# Altium PCB 小车PCB.PcbDoc (part 1 of 4)
Units mm, origin at the board's own origin, x right, y up, seen from the top; angles counter-clockwise.
Board outline 300.13 x 180.13 mm, 2 copper layers (Top Layer, Bottom Layer); 391 components, 380 nets, 1557 pads, 358 vias.
Unrouted connection lines stored in the file: 2.
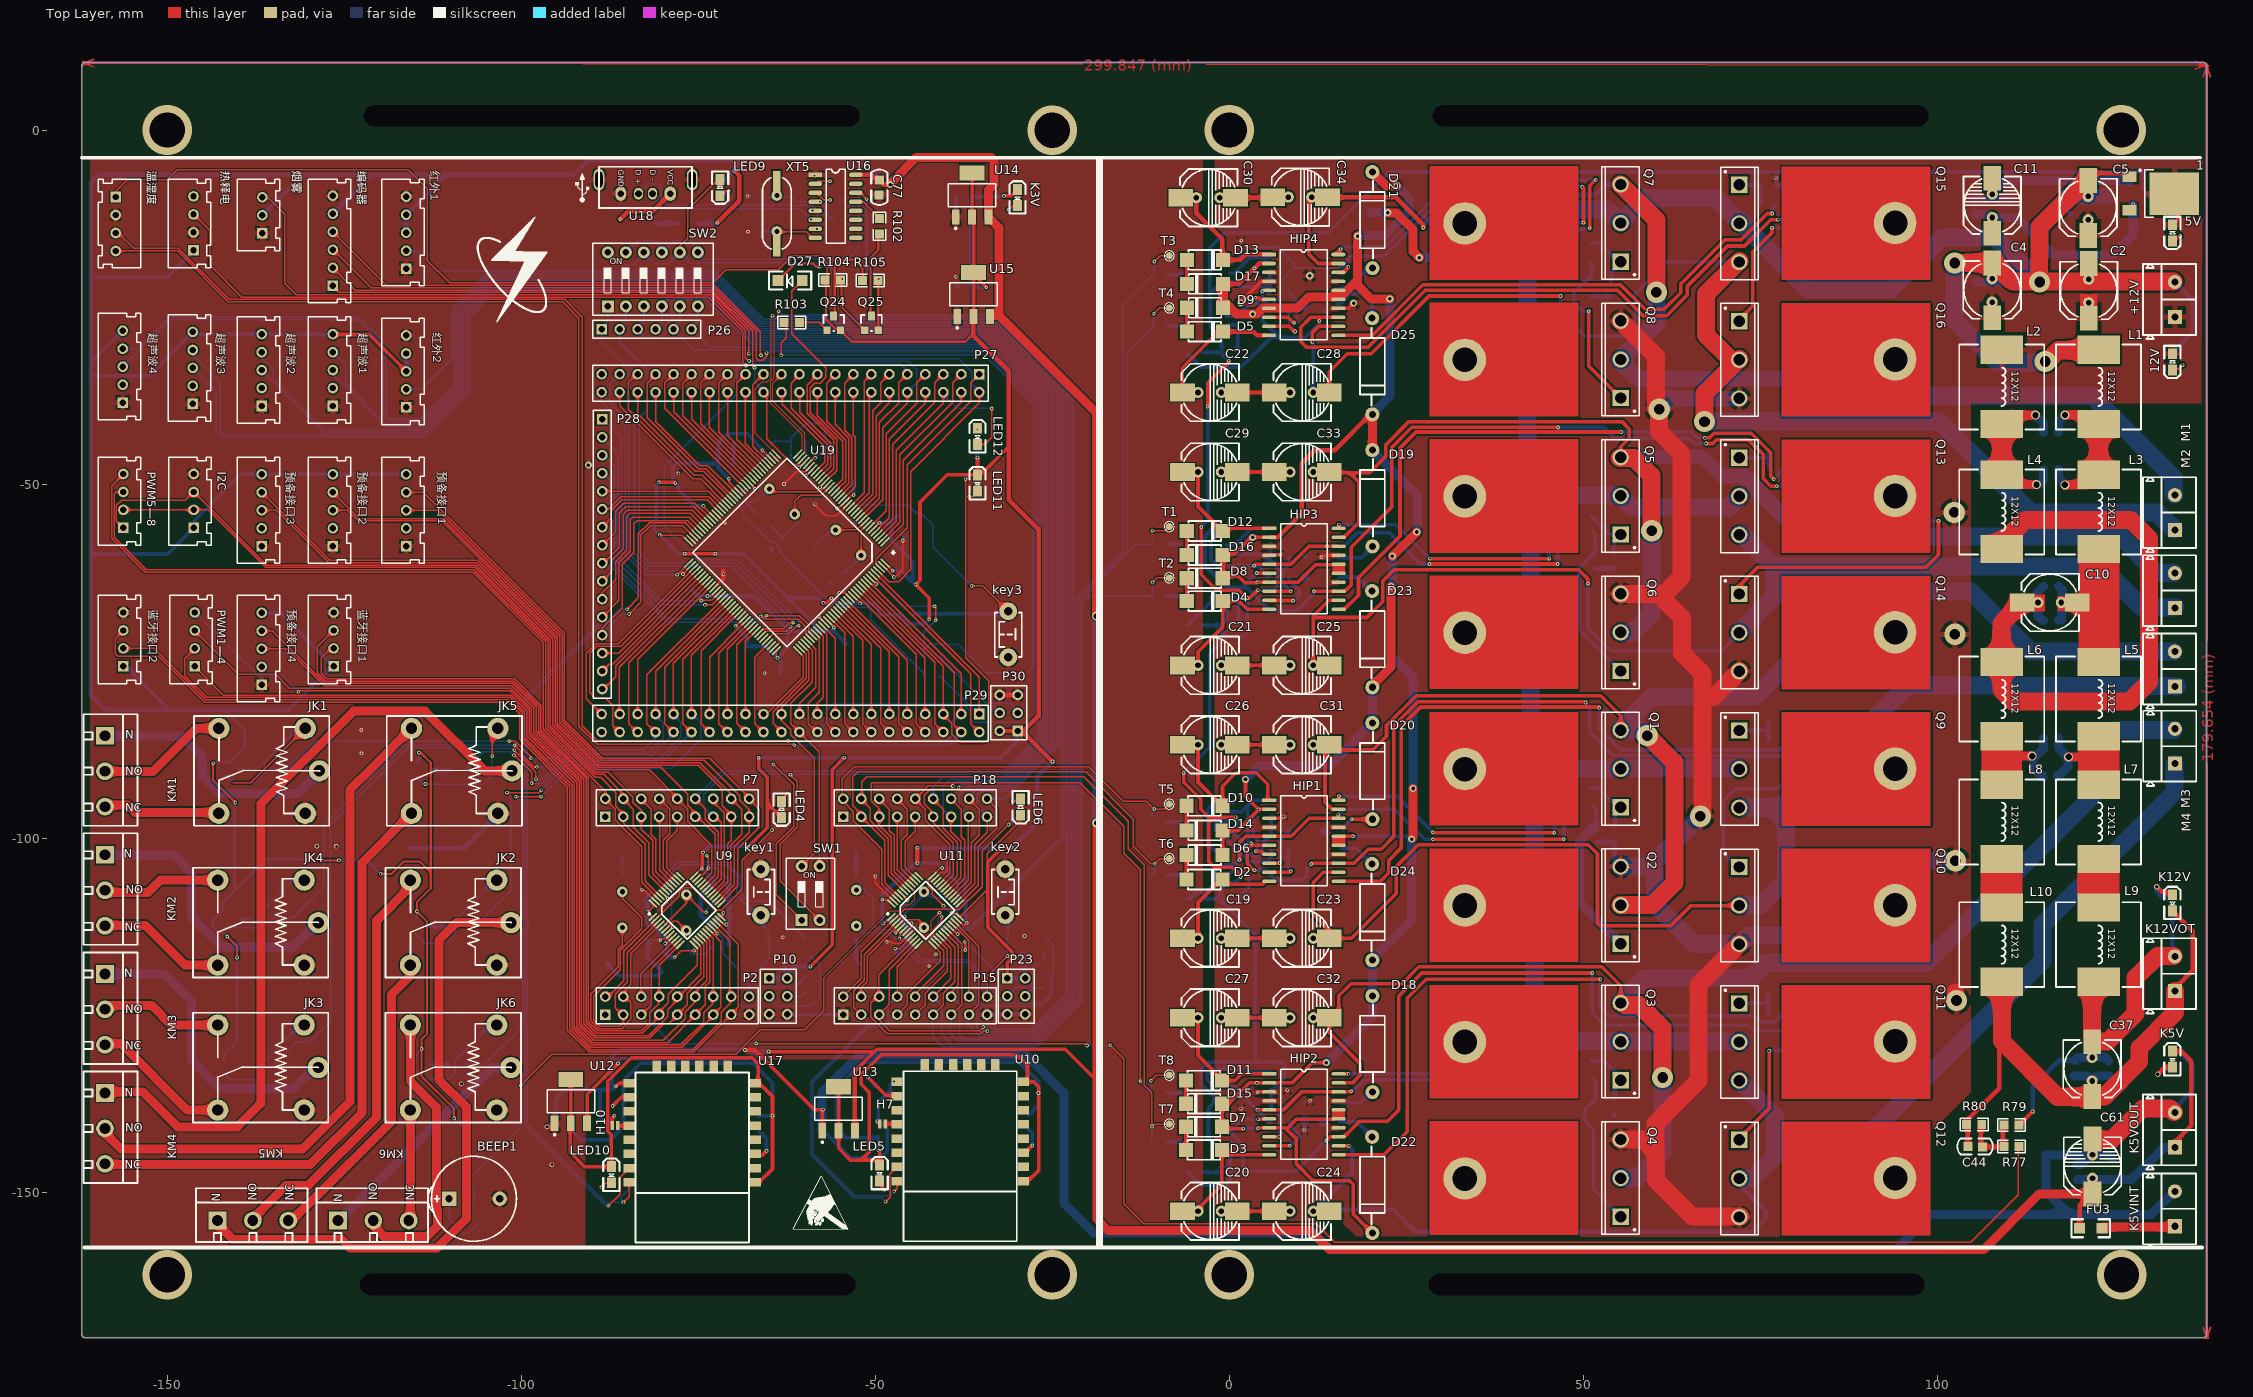
[diagram p0: Top Layer view]
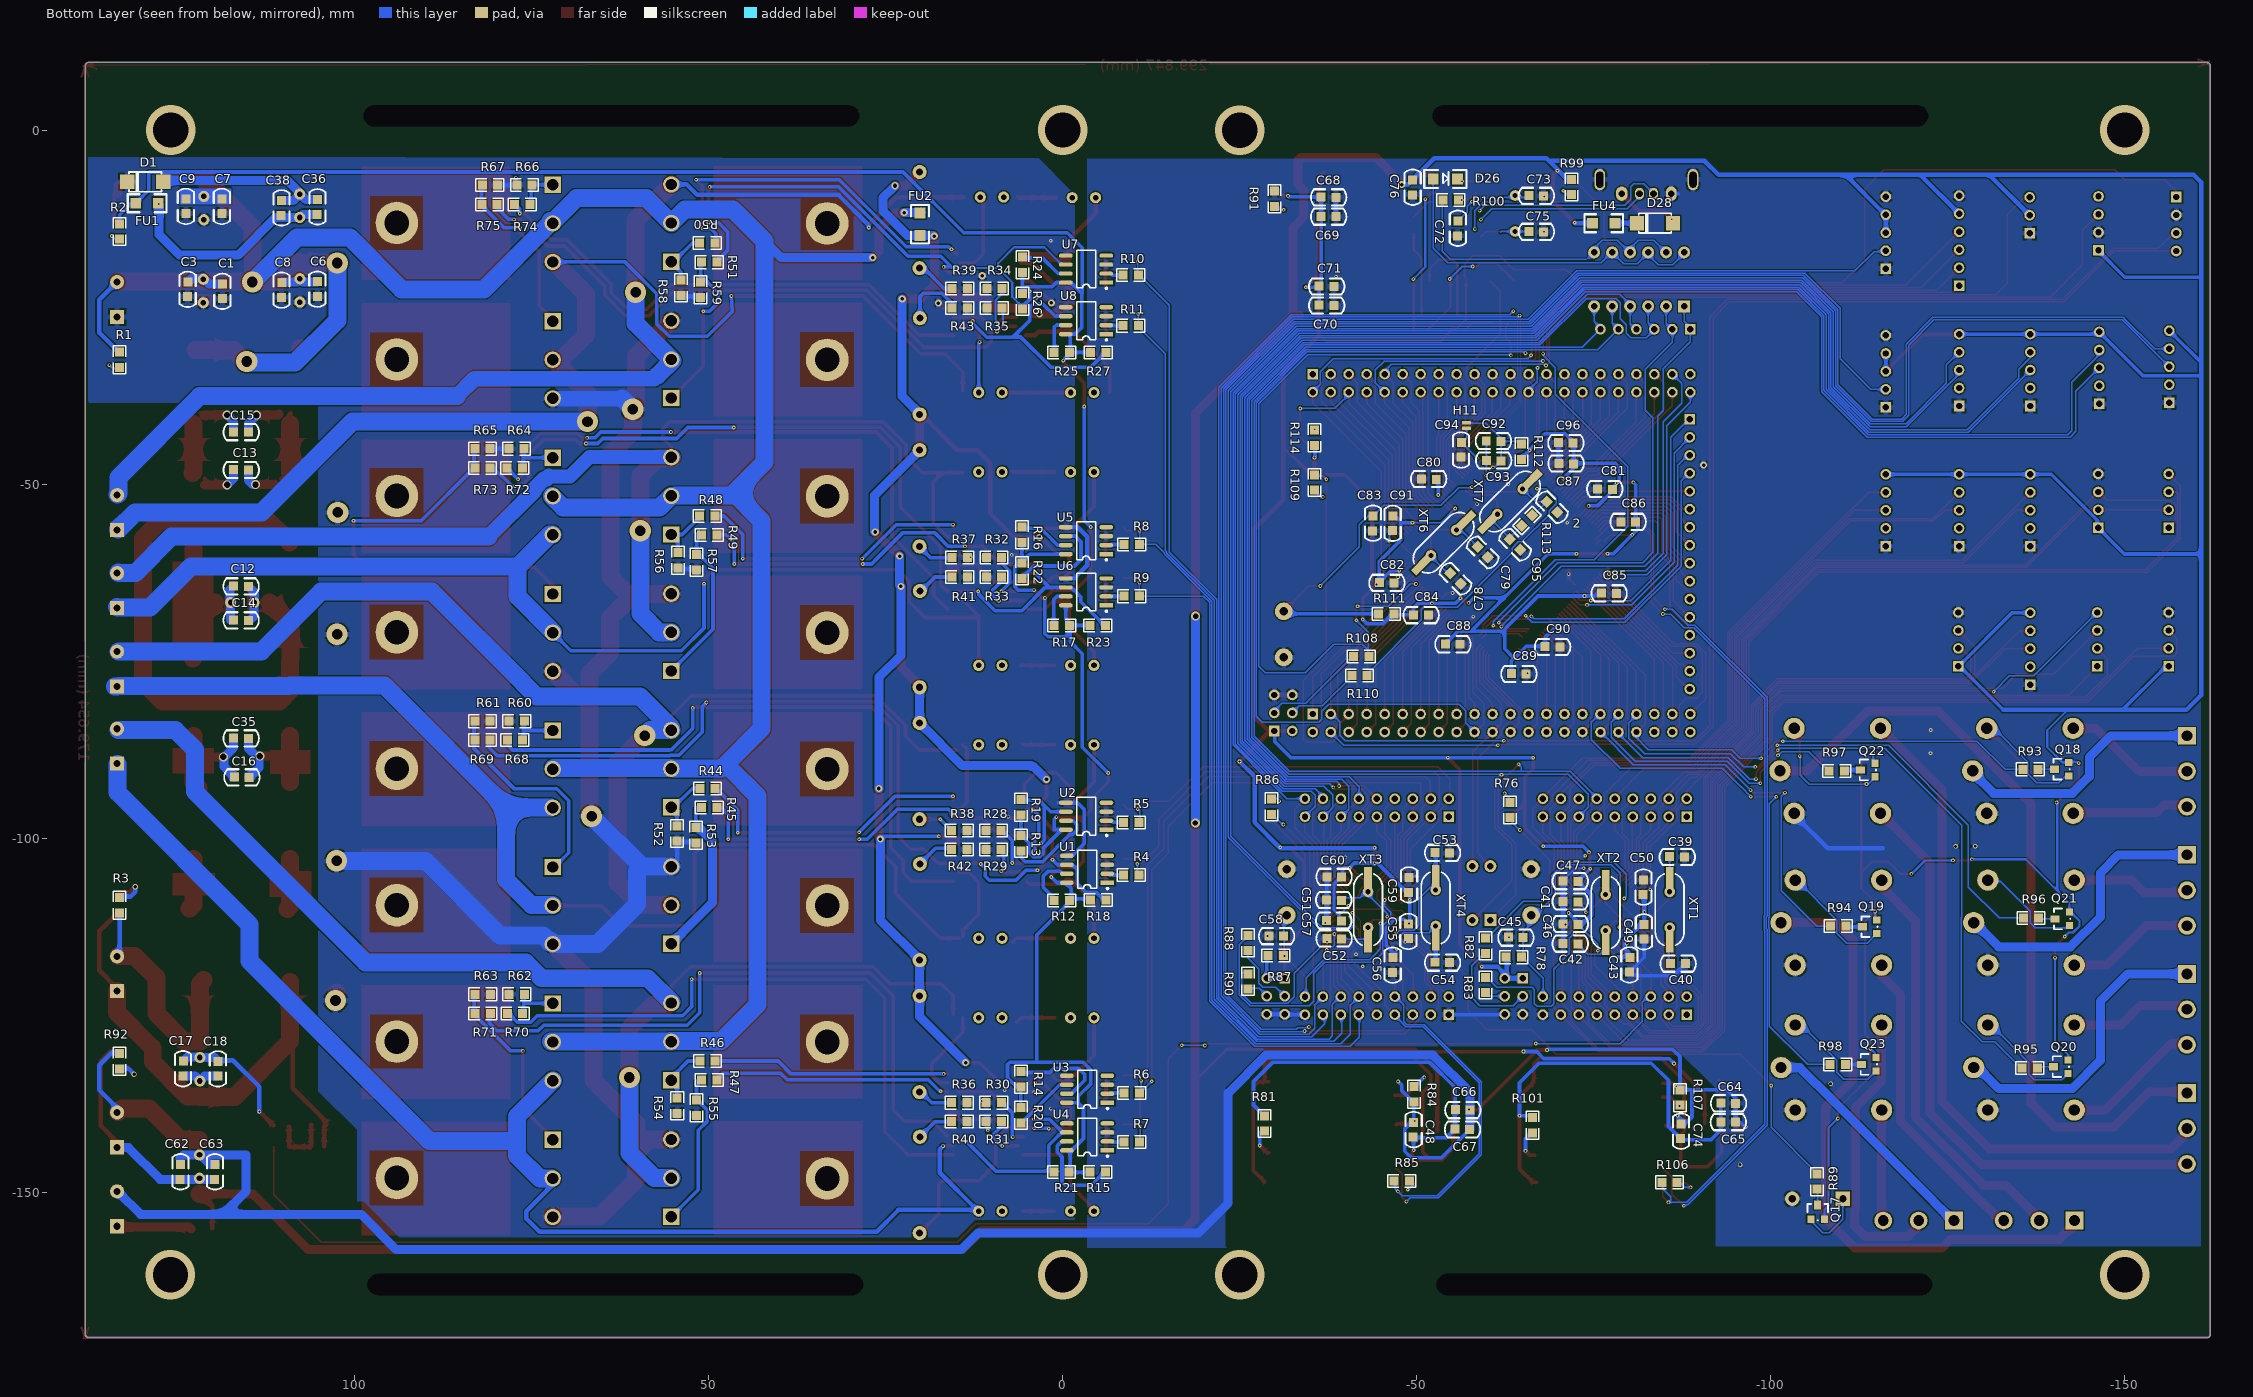
[diagram p1: Bottom Layer view, seen from below]

## Layer stack, top to bottom
Top Solder: solder mask 0.0102, Solder Resist, Dk 3.5
Top Layer: signal copper 0.0356
Dielectric1: dielectric 0.32, FR-4, Dk 4.8
Bottom Layer: signal copper 0.0356
Bottom Solder: solder mask 0.0102, Solder Resist, Dk 3.5

## Board outline
-162.09,-170.009 -162.09,9.141 cw(c-162.027,9.141) -162.086,9.166 cw(c-161.559,9.101) -161.607,9.63 cw(c-161.602,9.566) -161.602,9.63 137.463,9.63 cw(c137.508,9.101) 138.037,9.15 cw(c137.973,9.144) 138.037,9.144 138.037,-170.034 cw(c137.973,-170.034) 138.027,-170.069 cw(c137.505,-169.969) 137.554,-170.498 cw(c137.548,-170.434) 137.548,-170.498 -161.519,-170.498 cw(c-161.519,-170.434) -161.533,-170.496 cw(c-161.562,-169.966) -162.09,-170.015 cw(c-162.027,-170.009)

## Design rules (kind name [scope] priority, off if disabled: settings)
Clearance [InPolygon] p1: gap=0.2
Clearance Clearance_2 [All] p2: gap=0.127
Clearance ALL [IsVia] p3: gap=0.127
PlaneConnect [InNet('No Net') And OnLayer('Top Layer')] p1: planeconnectstyle=Direct reliefexpansion=0.508 reliefentries=4 reliefconductorwidth=0.254 reliefairgap=0.254
PolygonConnect PolygonConnect_1 [All] p1: connectstyle=Relief reliefconductorwidth=0.762 reliefentries=4 polygonreliefangle="90 Angle" airgapwidth=0.254
PolygonConnect [IsVia] p2: connectstyle=Direct reliefconductorwidth=0.381 reliefentries=4 polygonreliefangle="90 Angle" airgapwidth=0.254
RoutingVias [All] p1: holewidth=0.254 width=0.508 viastyle="Through Hole" minholewidth=0.254 minwidth=0.508 maxholewidth=0.254 maxwidth=0.508
SolderMaskExpansion [All] p1: expansion=0.1
Width [All] p1: maxlimit=5.08 minlimit=0.127 preferedwidth=0.508
29 further rules are at their usual default settings.

## Classes and differential pairs
component class 小车主板原理图: 2 C72 C73 C74 C75 C76 C77 C78 C79 C80 C81 C82 C83 C84 C85 C86 C88 C89 C90 C91 C92 C93 C94 C95 C96 D26 D27 D28 FU4 H10 H11 key3 LED9 LED10 LED11 LED12 P27 P28 P29 P30 Q24 Q25 R99 R100 R101 R102 R103 R104 R105 R106 R107 R108 R109 R110 R111 R112 R113 R114 U16 U17 U18 XT5 XT6
component class 小车主板原理图3: C61 C62 C63 C68 C69 C70 C71 FU3 JK1 JK2 JK3 JK4 JK5 JK6 K3V K5V K5VINT K5VOUT P26 Q18 Q19 Q20 Q21 Q22 Q23 R91 R92 R93 R94 R95 R96 R97 R98 SW2 T1 T2 T3 T4 T5 T6 T7 T8 U14 U15 编码器接口
component class 小车主板原理图2: BEEP1 C39 C40 C41 C42 C43 C44 C45 C46 C47 C48 C49 C50 C51 C52 C53 C54 C55 C56 C57 C58 C59 C60 H7 key1 key2 LED4 LED5 LED6 P2 P7 P10 P15 P18 P23 Q17 R76 R77 R78 R79 R80 R81 R82 R83 R84 R85 R86 R87 R88 R89 R90 SW1 U9 U10 XT1 XT2 XT3 XT4
component class 小车主板原理图1: 1 5V 12V +12V C1 C2 C3 C4 C5 C6 C7 C8 C9 C10 C11 C13 C14 C15 C16 C17 C18 C19 C20 C21 C22 C23 C24 C25 C26 C27 C28 C29 C30 C31 C32 C33 C34 C35 C36 C37 C38 D1 D2 D3 D4 D5 D6 D7 D8 D9 D10 D11 D12 D13 D14 D15 D16 D17 D18 D19 D20 D21 D22 D23 D24 D25 FU1 FU2 HIP1 HIP3 K12V K12VOT L1 L2 L3 L4 L5 L6 L7 L8 L9 L10 M1 M2 M3 M4 Q1 Q2 Q3 Q4 Q5 Q6 Q7 Q8 Q9 Q10 Q11 Q12 Q13 Q14 Q15 Q16 R1 R2 R3 R4 R5 R6 R7 R8 R9 R10 R11 R12 R13 R15 R16 R17 R18 R19 R20 R21 R22 R23 R24 R25 R26 R27 R28 R29 R30 R31 R32 R33 R34 R35 R36 R37 R38 R39 R40 R41 R42 R43 R44 R45 R46 R47 R48 R49 R50 R51 R52 R53 R54 R55 R56 R57 R58 R59 R60 R61 R62 R63 R64 R65 R66 R67 R68 R69 R70 R71 R72 R73 R74 R75 U1 U2 U3 U4 U5 U6 U7 U8
net class PWER: +5V GND VCC3.3V VCC5V

## Components (designator, comment, footprint, x,y, rotation, side; value= is the part's Value field where it differs from the comment)
1 "7805" TO-252-2 130.891,-8.909 r0 top
2 "22" 0805C -69.724,-53.999 r45 bottom
5V "+5V" 0805D 133.172,-14.453 r90 top (schematic designator LED2)
12V "+12V" 0805D 133.172,-32.664 r90 top (schematic designator LED1)
+12V "12V驱动电源" KF301接线端子 136.525,-28.854 r90 top (schematic designator H1)
BEEP1 "5V有源蜂鸣器" 5V蜂鸣器 -106.68,-150.851 r0 top
C1 "10pF" 0805C 118.796,-23.724 r90 bottom
C2 "220uF" CD-8*8-无极性 121.361,-22.581 r180 top
C3 "0.1uf" 0805C 123.698,-23.444 r90 bottom
C4 "220uF" CD-8*8-无极性 107.721,-22.502 r180 top
C5 "220uF" CD-8*8-无极性 121.285,-10.871 r180 top
C6 "0.1uf" 0805C 105.385,-23.419 r90 bottom
C7 "0.1uf" 0805C 118.872,-11.735 r90 bottom
C8 "10pF" 0805C 110.439,-23.546 r90 bottom
C9 "10pF" 0805C 123.952,-11.735 r90 bottom
C10 "220uF" CD-8*8-无极性 115.923,-66.65 r90 top
C11 "470uF" CD-8*8-2 107.747,-10.549 r180 top
C12 "0.1uf" 0805C 115.011,-64.491 r0 bottom
C13 "0.1uf" 0805C 114.986,-48.057 r0 bottom
C14 "10pF" 0805C 115.011,-69.291 r0 bottom
C15 "10pF" 0805C 114.986,-42.723 r0 bottom
C16 "10pF" 0805C 114.884,-91.465 r0 bottom
C17 "0.1uf" 0805C 124.358,-133.502 r90 bottom
C18 "10pF" 0805C 119.431,-133.528 r90 bottom
C19 "10uF" CD-8*8-2 -2.692,-114.066 r90 top
C20 "10uF" CD-8*8-2 -2.692,-152.603 r90 top
C21 "10uF" CD-8*8-2 -2.692,-75.53 r90 top
C22 "10uF" CD-8*8-2 -2.692,-36.993 r90 top
C23 "10uF" CD-8*8-2 10.287,-114.066 r90 top
C24 "10uF" CD-8*8-2 10.287,-152.603 r90 top
C25 "10uF" CD-8*8-2 10.287,-75.53 r90 top
C26 "10uF" CD-8*8-2 -2.692,-86.751 r90 top
C27 "10uF" CD-8*8-2 -2.692,-125.288 r90 top
C28 "10uF" CD-8*8-2 10.287,-36.993 r90 top
C29 "10uF" CD-8*8-2 -2.692,-48.214 r90 top
C30 "10uF" CD-8*8-2 -2.921,-9.474 r90 top
C31 "10uF" CD-8*8-2 10.287,-86.751 r90 top
C32 "10uF" CD-8*8-2 10.287,-125.288 r90 top
C33 "10uF" CD-8*8-2 10.287,-48.214 r90 top
C34 "10uF" CD-8*8-2 10.058,-9.398 r90 top
C35 "0.1uf" 0805C 114.995,-85.954 r0 bottom
C36 "0.1uF" 0805C 105.105,-9.754 r270 bottom
C37 "220uF" CD-8*8-无极性 121.844,-132.484 r180 top
C38 "10pF" 0805C 110.185,-9.906 r270 bottom
C39 "20" 0805C -87.808,-102.718 r0 bottom
C40 "20" 0805C -87.935,-117.78 r0 bottom
C41 "20" 0805C -70.663,-108.737 r180 bottom
C42 "20" 0805C -70.663,-114.706 r180 bottom
C43 "104" 0805C -79.908,-118.847 r90 bottom
C44 "CAP" 0805C 104.292,-143.332 r0 top
C45 "104" 0805C -65.024,-114.097 r0 bottom
C46 "104" 0805C -70.663,-111.912 r180 bottom
C47 "104" 0805C -70.663,-105.867 r180 bottom
C48 "104" 0805C -49.682,-140.056 r270 bottom
C49 "104" 0805C -81.94,-114.173 r90 bottom
C50 "104" 0805C -82.144,-105.816 r270 bottom
C51 "20" 0805C -37.262,-108.543 r180 bottom
C52 "20" 0805C -37.313,-113.97 r180 bottom
C53 "20" 0805C -54.661,-102.133 r0 bottom
C54 "20" 0805C -54.661,-117.627 r0 bottom
C55 "104" 0805C -48.692,-114.122 r90 bottom
C56 "104" 0805C -46.482,-118.872 r90 bottom
C57 "104" 0805C -37.262,-111.447 r180 bottom
C58 "104" 0805C -31.217,-113.894 r0 bottom
C59 "104" 0805C -49.047,-105.512 r270 bottom
C60 "104" 0805C -37.313,-105.258 r180 bottom
C61 "470uF" CD-8*8-2 121.895,-146.23 r180 top
C62 "0.1uF" 0805C 124.46,-146.025 r270 bottom
C63 "10p" 0805C 119.583,-146.025 r270 bottom
C64 "104" 0805C -95.047,-137.49 r0 bottom
C65 "10uF" 0805C -95.021,-140.157 r0 bottom
C66 "104" 0805C -57.531,-138.455 r0 bottom
C67 "10uF" 0805C -57.48,-141.199 r0 bottom
C68 "104" 0805C -38.583,-9.55 r0 bottom
C69 "10uF" 0805C -38.583,-12.294 r0 bottom
C70 "104" 0805C -38.303,-24.841 r0 bottom
C71 "10uF" 0805C -38.303,-22.149 r0 bottom
C72 "104" 0805C -55.931,-12.776 r270 bottom
C73 "22" 0805C -67.92,-9.347 r0 bottom
C74 "104" 0805C -87.452,-140.284 r270 bottom
C75 "22" 0805C -67.92,-14.427 r0 bottom
C76 "104" 0805C -49.555,-6.985 r270 bottom
C77 "10uF" 0805C -49.301,-6.985 r270 top
C78 "10" 0805C -56.109,-64.108 r45 bottom
C79 "10" 0805C -59.945,-60.374 r45 bottom
C80 "104" 0805C -50.673,-49.073 r180 bottom
C81 "104" 0805C -75.54,-50.495 r180 bottom
C82 "104" 0805C -46.812,-64.008 r0 bottom
C83 "104" 0805C -43.942,-54.432 r270 bottom
C84 "104" 0805C -51.638,-68.555 r0 bottom
C85 "104" 0805C -78.181,-65.481 r0 bottom
C86 "104" 0805C -78.842,-55.118 r180 bottom
C87 "104" 0805C -70.079,-46.888 r180 bottom
C88 "104" 0805C -56.134,-72.669 r0 bottom
C89 "104" 0805C -65.456,-76.86 r0 bottom
C90 "104" 0805C -70.206,-73.05 r0 bottom
C91 "104" 0805C -46.482,-56.49 r90 bottom
C92 "10uF" 0805C -59.817,-43.713 r180 bottom
C93 "104" 0805C -59.844,-46.457 r180 bottom
C94 "104" 0805C -56.134,-46.126 r90 bottom
C95 "22" 0805C -64.517,-59.307 r45 bottom
C96 "104" 0805C -72.085,-44.247 r0 bottom
D1 "D" "DO-214-M7-  4007贴片" 129.438,-7.239 r180 bottom
D2 "D" "DO-214-M7-  4007贴片" -3.632,-105.766 r180 top
D3 "D" "DO-214-M7-  4007贴片" -3.708,-143.942 r180 top
D4 "D" "DO-214-M7-  4007贴片" -3.595,-66.446 r180 top
D5 "D" "DO-214-M7-  4007贴片" -3.581,-28.397 r180 top
D6 "D" "DO-214-M7-  4007贴片" -3.378,-102.3 r0 top
D7 "D" "DO-214-M7-  4007贴片" -3.454,-140.688 r0 top
D8 "D" "DO-214-M7-  4007贴片" -3.341,-63.221 r0 top
D9 "D" "DO-214-M7-  4007贴片" -3.327,-25.025 r0 top
D10 "D" "DO-214-M7-  4007贴片" -3.632,-95.352 r180 top
D11 "D" "DO-214-M7-  4007贴片" -3.708,-134.163 r180 top
D12 "D" "DO-214-M7-  4007贴片" -3.595,-56.54 r180 top
D13 "D" "DO-214-M7-  4007贴片" -3.581,-18.263 r180 top
D14 "D" "DO-214-M7-  4007贴片" -3.378,-98.829 r0 top
D15 "D" "DO-214-M7-  4007贴片" -3.454,-137.428 r0 top
D16 "D" "DO-214-M7-  4007贴片" -3.341,-59.944 r0 top
D17 "D" "DO-214-M7-  4007贴片" -3.327,-21.647 r0 top
D18 "D 齐纳" DO-15 20.295,-137.464 r90 top
D19 "D 齐纳" DO-15 20.295,-60.39 r90 top
D20 "D 齐纳" DO-15 20.295,-98.927 r90 top
D21 "D 齐纳" DO-15 20.295,-21.107 r90 top
D22 "D 齐纳" DO-15 20.091,-140.427 r270 top
D23 "D 齐纳" DO-15 20.091,-63.354 r270 top
D24 "D 齐纳" DO-15 20.091,-101.89 r270 top
D25 "D 齐纳" DO-15 20.091,-24.817 r270 top
D26 "D" 1206D -52.324,-6.833 r180 bottom
D27 "D" 1206D -60.3,-21.184 r180 top
D28 "D" "DO-214-M7-  4007贴片" -83.769,-13.081 r180 bottom
FU1 "FUSE" 1206 127.584,-10.262 r0 bottom
FU2 "FUSE" 1206 20.142,-14.935 r90 bottom
FU3 "FUSE" 1206 123.368,-155.016 r180 top
FU4 "1A" 1206 -74.701,-13.081 r180 bottom
H7 "2脚" 2P -48.971,-140.284 r0 top
H10 "2脚" 2P -86.741,-140.564 r0 top
H11 "2脚" 2P -57.074,-41.656 r90 bottom
HIP1 "HIP4081" SOP-20.. 5.643,-94.59 r0 top
HIP2 "HIP4081" SOP-20.. 5.643,-133.223 r0 top
HIP3 "HIP4081" SOP-20.. 5.643,-56.185 r0 top
HIP4 "HIP4081" SOP-20.. 5.592,-17.501 r0 top
HTU1 "HTU21D" PZ_XH-2.54-4P -157.277,-11.927 r270 top
JK1 "" SRD-C_B -130.497,-96.425 r180 top
JK2 "" SRD-C_B -103.446,-117.857 r180 top
JK3 "" SRD-C_B -130.65,-138.318 r180 top
JK4 "" SRD-C_B -130.65,-117.857 r180 top
JK5 "" SRD-C_B -103.294,-96.425 r180 top
JK6 "" SRD-C_B -103.446,-138.318 r180 top
JP1 "HDR-1X3" KF301-3P -158.775,-85.475 r270 top
JP2 "HDR-1X3" KF301-3P -158.775,-119.104 r270 top
JP3 "HDR-1X3" KF301-3P -142.897,-153.924 r0 top
JP4 "HDR-1X3" KF301-3P -158.775,-102.29 r270 top
JP5 "HDR-1X3" KF301-3P -158.775,-135.919 r270 top
JP6 "HDR-1X3" KF301-3P -125.875,-153.924 r0 top
K3V "LED" 0805D -29.921,-9.449 r270 top (schematic designator LED7)
K5V "LED" 0805D 133.172,-131.14 r270 top (schematic designator LED8)
K5VINT "VCC5VINT" KF301接线端子 136.525,-157.269 r90 top (schematic designator H9)
K5VOUT "VCC5VOUT" KF301接线端子 136.525,-146.126 r90 top (schematic designator H8)
K12V "+MCU12V" 0805D 133.172,-109.068 r270 top (schematic designator LED3)
K12VOT "12VMCU电源" KF301接线端子 136.525,-124.071 r90 top (schematic designator H3)
key1 "KEY" 按键DIP-3*6*5 -66.142,-107.544 r270 top
key2 "KEY" 按键DIP-3*6*5 -31.648,-107.544 r270 top
key3 "KEY" 按键DIP-3*6*5 -31.217,-71.145 r90 top
L1 "L" 12*12电感 116.758,-30.201 r270 top
L2 "L" 12*12电感 103.093,-30.201 r270 top
L3 "L" 12*12电感 116.758,-47.854 r270 top
L4 "L" 12*12电感 103.093,-47.854 r270 top
L5 "L" 12*12电感 116.758,-74.284 r270 top
L6 "L" 12*12电感 103.093,-74.284 r270 top
L7 "L" 12*12电感 116.758,-91.625 r270 top
L8 "L" 12*12电感 103.093,-91.625 r270 top
L9 "L" 12*12电感 116.758,-108.966 r270 top
L10 "L" 12*12电感 103.093,-108.966 r270 top
LED4 "LED" 0805D -63.221,-95.885 r90 top
LED5 "LED" 0805D -49.378,-147.218 r270 top
LED6 "LED" 0805D -29.464,-95.555 r90 top
LED9 "LED" 0805D -71.907,-8.052 r90 top
LED10 "LED" 0805D -87.274,-147.447 r270 top
LED11 "LED" 0805D -35.56,-49.793 r270 top
LED12 "LED" 0805D -35.56,-43.18 r270 top
M1 "M1接线端子" KF301接线端子 136.525,-58.946 r90 top (schematic designator H2)
M2 "M2接线端子" KF301接线端子 136.525,-69.969 r90 top (schematic designator H4)
M3 "M3接线端子" KF301接线端子 136.525,-81.044 r90 top (schematic designator H5)
M4 "M4接线端子" KF301接线端子 136.55,-91.94 r90 top (schematic designator H6)
P1 "I2C" PZ_XH-2.54-4P -146.255,-53.574 r90 top
P2 "" HDR2X9 -88.138,-124.841 r0 top
P3 "Header 5H" PZ_XH-2.54-5P -116.25,-58.699 r90 top
P4 "Header 5H" PZ_XH-2.54-5P -136.65,-58.699 r90 top
P5 "Header 5H" PZ_XH-2.54-5P -136.65,-78.257 r90 top
P6 "Header 5H" PZ_XH-2.54-5P -126.594,-58.699 r90 top
P7 "" HDR2X9 -88.138,-96.901 r0 top
P8 "蓝牙1" PZ_XH-2.54-4P -126.494,-73.132 r90 top
P9 "蓝牙2" PZ_XH-2.54-4P -156.177,-73.132 r90 top
P10 "Header 3X2" HDR2X3 -64.973,-119.71 r270 top
P11 "PWM1—4" PZ_XH-2.54-4P -146.101,-73.132 r90 top
P12 "PWM5—8" PZ_XH-2.54-4P -156.177,-53.574 r90 top
P13 "Header 5H" PZ_XH-2.54-5P -126.594,-38.9 r90 top
P14 "Header 5H" PZ_XH-2.54-5P -146.379,-38.595 r90 top
P15 "Header 9X2" HDR2X9 -54.534,-124.841 r0 top
P16 "Header 5H" PZ_XH-2.54-5P -156.277,-38.417 r90 top
P17 "Header 5H" PZ_XH-2.54-5P -136.65,-38.9 r90 top
P18 "Header 9X2" HDR2X9 -54.534,-96.901 r0 top
P19 "Header 4H" PZ_XH-2.54-4P -146.279,-14.382 r90 top
P20 "Header 5H" PZ_XH-2.54-5P -116.25,-19.494 r90 top
P21 "Header 5H" PZ_XH-2.54-5P -116.25,-39.091 r90 top
P22 "Header 3H" PZ_XH-2.54-3P -136.55,-11.967 r90 top
P23 "Header 3X2" HDR2X3 -31.369,-119.71 r270 top
P24 "Header 6H" PZ_XH-2.54-6P -126.594,-21.907 r90 top
P26 "Header 6" HDR1X6 -88.646,-28.042 r0 top
P27 "Header 22X2" HDR2X22 -35.306,-34.392 r180 top
P28 "Header 16" HDR1X16 -88.57,-40.767 r270 top
P29 "Header 22X2" HDR2X22 -35.306,-82.398 r180 top
P30 "Header 3X2" HDR2X3 -29.896,-84.785 r90 top
Q1 "IRFP260N" "TO-247 - 贴" 55.27,-90.129 r90 top
Q2 "IRFP260N" "TO-247 - 贴" 55.27,-109.397 r90 top
Q3 "IRFP260N" "TO-247 - 贴" 55.27,-128.666 r90 top
Q4 "IRFP260N" "TO-247 - 贴" 55.27,-147.934 r90 top
Q5 "IRFP260N" "TO-247 - 贴" 55.27,-51.592 r90 top
Q6 "IRFP260N" "TO-247 - 贴" 55.27,-70.861 r90 top
Q7 "IRFP260N" "TO-247 - 贴" 55.27,-13.056 r90 top
Q8 "IRFP260N" "TO-247 - 贴" 55.27,-32.324 r90 top
Q9 "IRFP260N" "TO-247 - 贴" 72.009,-90.175 r270 top
Q10 "IRFP260N" "TO-247 - 贴" 72.009,-109.444 r270 top
Q11 "IRFP260N" "TO-247 - 贴" 72.009,-128.712 r270 top
Q12 "IRFP260N" "TO-247 - 贴" 72.009,-147.98 r270 top
Q13 "IRFP260N" "TO-247 - 贴" 72.009,-51.639 r270 top
Q14 "IRFP260N" "TO-247 - 贴" 72.009,-70.907 r270 top
Q15 "IRFP260N" "TO-247 - 贴" 72.009,-13.102 r270 top
Q16 "IRFP260N" "TO-247 - 贴" 72.009,-32.37 r270 top
Q17 "PNP" SOT-23 -105.547,-153.762 r180 bottom
Q18 "PNP" SOT-23 -142.104,-91.263 r90 bottom
Q19 "PNP" SOT-23 -114.976,-113.513 r90 bottom
Q20 "PNP" SOT-23 -142.002,-133.275 r90 bottom
Q21 "PNP" SOT-23 -142.18,-112.396 r90 bottom
Q22 "PNP" SOT-23 -114.748,-91.365 r90 bottom
Q23 "PNP" SOT-23 -114.875,-132.944 r90 bottom
Q24 "8550" SOT-23 -56.944,-28.21 r0 top
Q25 "8550" SOT-23 -51.61,-28.21 r0 top
R1 "1k" 0805 133.172,-33.452 r90 bottom
R2 "500R" 0805 133.172,-15.342 r90 bottom
R3 "500R" 0805 133.172,-108.306 r270 bottom
R4 "30R" 0805 -10.77,-105.156 r0 bottom
R5 "30R" 0805 -10.77,-97.688 r0 bottom
R6 "30R" 0805 -10.82,-135.89 r0 bottom
R7 "30R" 0805 -10.82,-142.824 r0 bottom
R8 "30R" 0805 -10.82,-58.445 r0 bottom
R9 "30R" 0805 -10.82,-65.761 r0 bottom
R10 "30R" 0805 -10.693,-20.422 r0 bottom
R11 "30R" 0805 -10.693,-27.559 r0 bottom
R12 "10K" 0805 -0.94,-108.737 r0 bottom
R13 "10K" 0805 5.893,-99.568 r270 bottom
R14 "10K" 0805 5.893,-135.052 r90 bottom
R15 "10K" 0805 -3.861,-147.066 r180 bottom
R16 "10K" 0805 5.766,-58.166 r90 bottom
R17 "10K" 0805 -0.965,-69.875 r0 bottom
R18 "470R" 0805 -3.937,-108.687 r180 bottom
R19 "470R" 0805 5.893,-96.622 r90 bottom
R20 "470R" 0805 5.893,-137.973 r270 bottom
R21 "470R" 0805 -0.914,-147.066 r0 bottom
R22 "470R" 0805 5.766,-61.087 r270 bottom
R23 "470R" 0805 -3.886,-69.875 r180 bottom
R24 "10K" 0805 5.69,-20.015 r90 bottom
R25 "10K" 0805 -0.965,-31.318 r0 bottom
R26 "470R" 0805 5.69,-23.038 r270 bottom
R27 "470R" 0805 -3.937,-31.318 r180 bottom
R28 "220k" 0805 8.687,-98.831 r0 bottom
R29 "220k" 0805 8.687,-101.524 r0 bottom
R30 "220k" 0805 8.661,-137.287 r0 bottom
R31 "220k" 0805 8.661,-139.954 r0 bottom
R32 "220k" 0805 8.611,-60.3 r0 bottom
R33 "220k" 0805 8.611,-63.043 r0 bottom
R34 "220k" 0805 8.56,-22.327 r0 bottom
R35 "220k" 0805 8.56,-25.044 r0 bottom
R36 "Res" 0805 13.513,-137.287 r0 bottom
R37 "Res" 0805 13.462,-60.3 r0 bottom
R38 "Res" 0805 13.513,-98.831 r0 bottom
R39 "Res" 0805 13.462,-22.327 r0 bottom
R40 "Res" 0805 13.513,-139.954 r0 bottom
R41 "Res" 0805 13.437,-63.043 r0 bottom
R42 "Res" 0805 13.513,-101.524 r0 bottom
R43 "Res" 0805 13.462,-25.044 r0 bottom
R44 "10R" 0805 49.073,-92.888 r0 bottom
R45 "10R" 0805 50.978,-95.58 r180 bottom
R46 "10R" 0805 49.073,-131.394 r0 bottom
R47 "10R" 0805 50.978,-134.087 r180 bottom
R48 "10R" 0805 49.098,-54.458 r0 bottom
R49 "10R" 0805 51.003,-57.099 r180 bottom
R50 "10R" 0805 49.098,-15.9 r0 bottom
R51 "10R" 0805 51.003,-18.593 r180 bottom
R52 "10K" 0805 54.458,-100.355 r90 bottom
R53 "10K" 0805 51.791,-98.45 r270 bottom
R54 "10K" 0805 54.432,-138.811 r90 bottom
R55 "10K" 0805 51.714,-136.906 r270 bottom
R56 "10K" 0805 54.331,-61.773 r90 bottom
R57 "10K" 0805 51.689,-59.868 r270 bottom
R58 "10K" 0805 53.899,-23.292 r90 bottom
R59 "10K" 0805 51.156,-21.387 r270 bottom
R60 "10K" 0805 78.181,-83.414 r180 bottom
R61 "10K" 0805 83.007,-83.414 r180 bottom
R62 "10K" 0805 78.156,-121.971 r180 bottom
R63 "10K" 0805 82.982,-121.971 r180 bottom
R64 "10K" 0805 78.207,-44.933 r180 bottom
R65 "10K" 0805 83.007,-44.933 r180 bottom
R66 "10K" 0805 77.089,-7.696 r180 bottom
R67 "10K" 0805 81.966,-7.696 r180 bottom
R68 "10R" 0805 76.276,-86.081 r0 bottom
R69 "10R" 0805 83.007,-86.081 r180 bottom
R70 "10R" 0805 76.251,-124.689 r0 bottom
R71 "10R" 0805 82.982,-124.689 r180 bottom
R72 "10R" 0805 76.302,-47.65 r0 bottom